# Altium PCB CPU_CARD.pcbdoc (part 9 of 10) (continued)
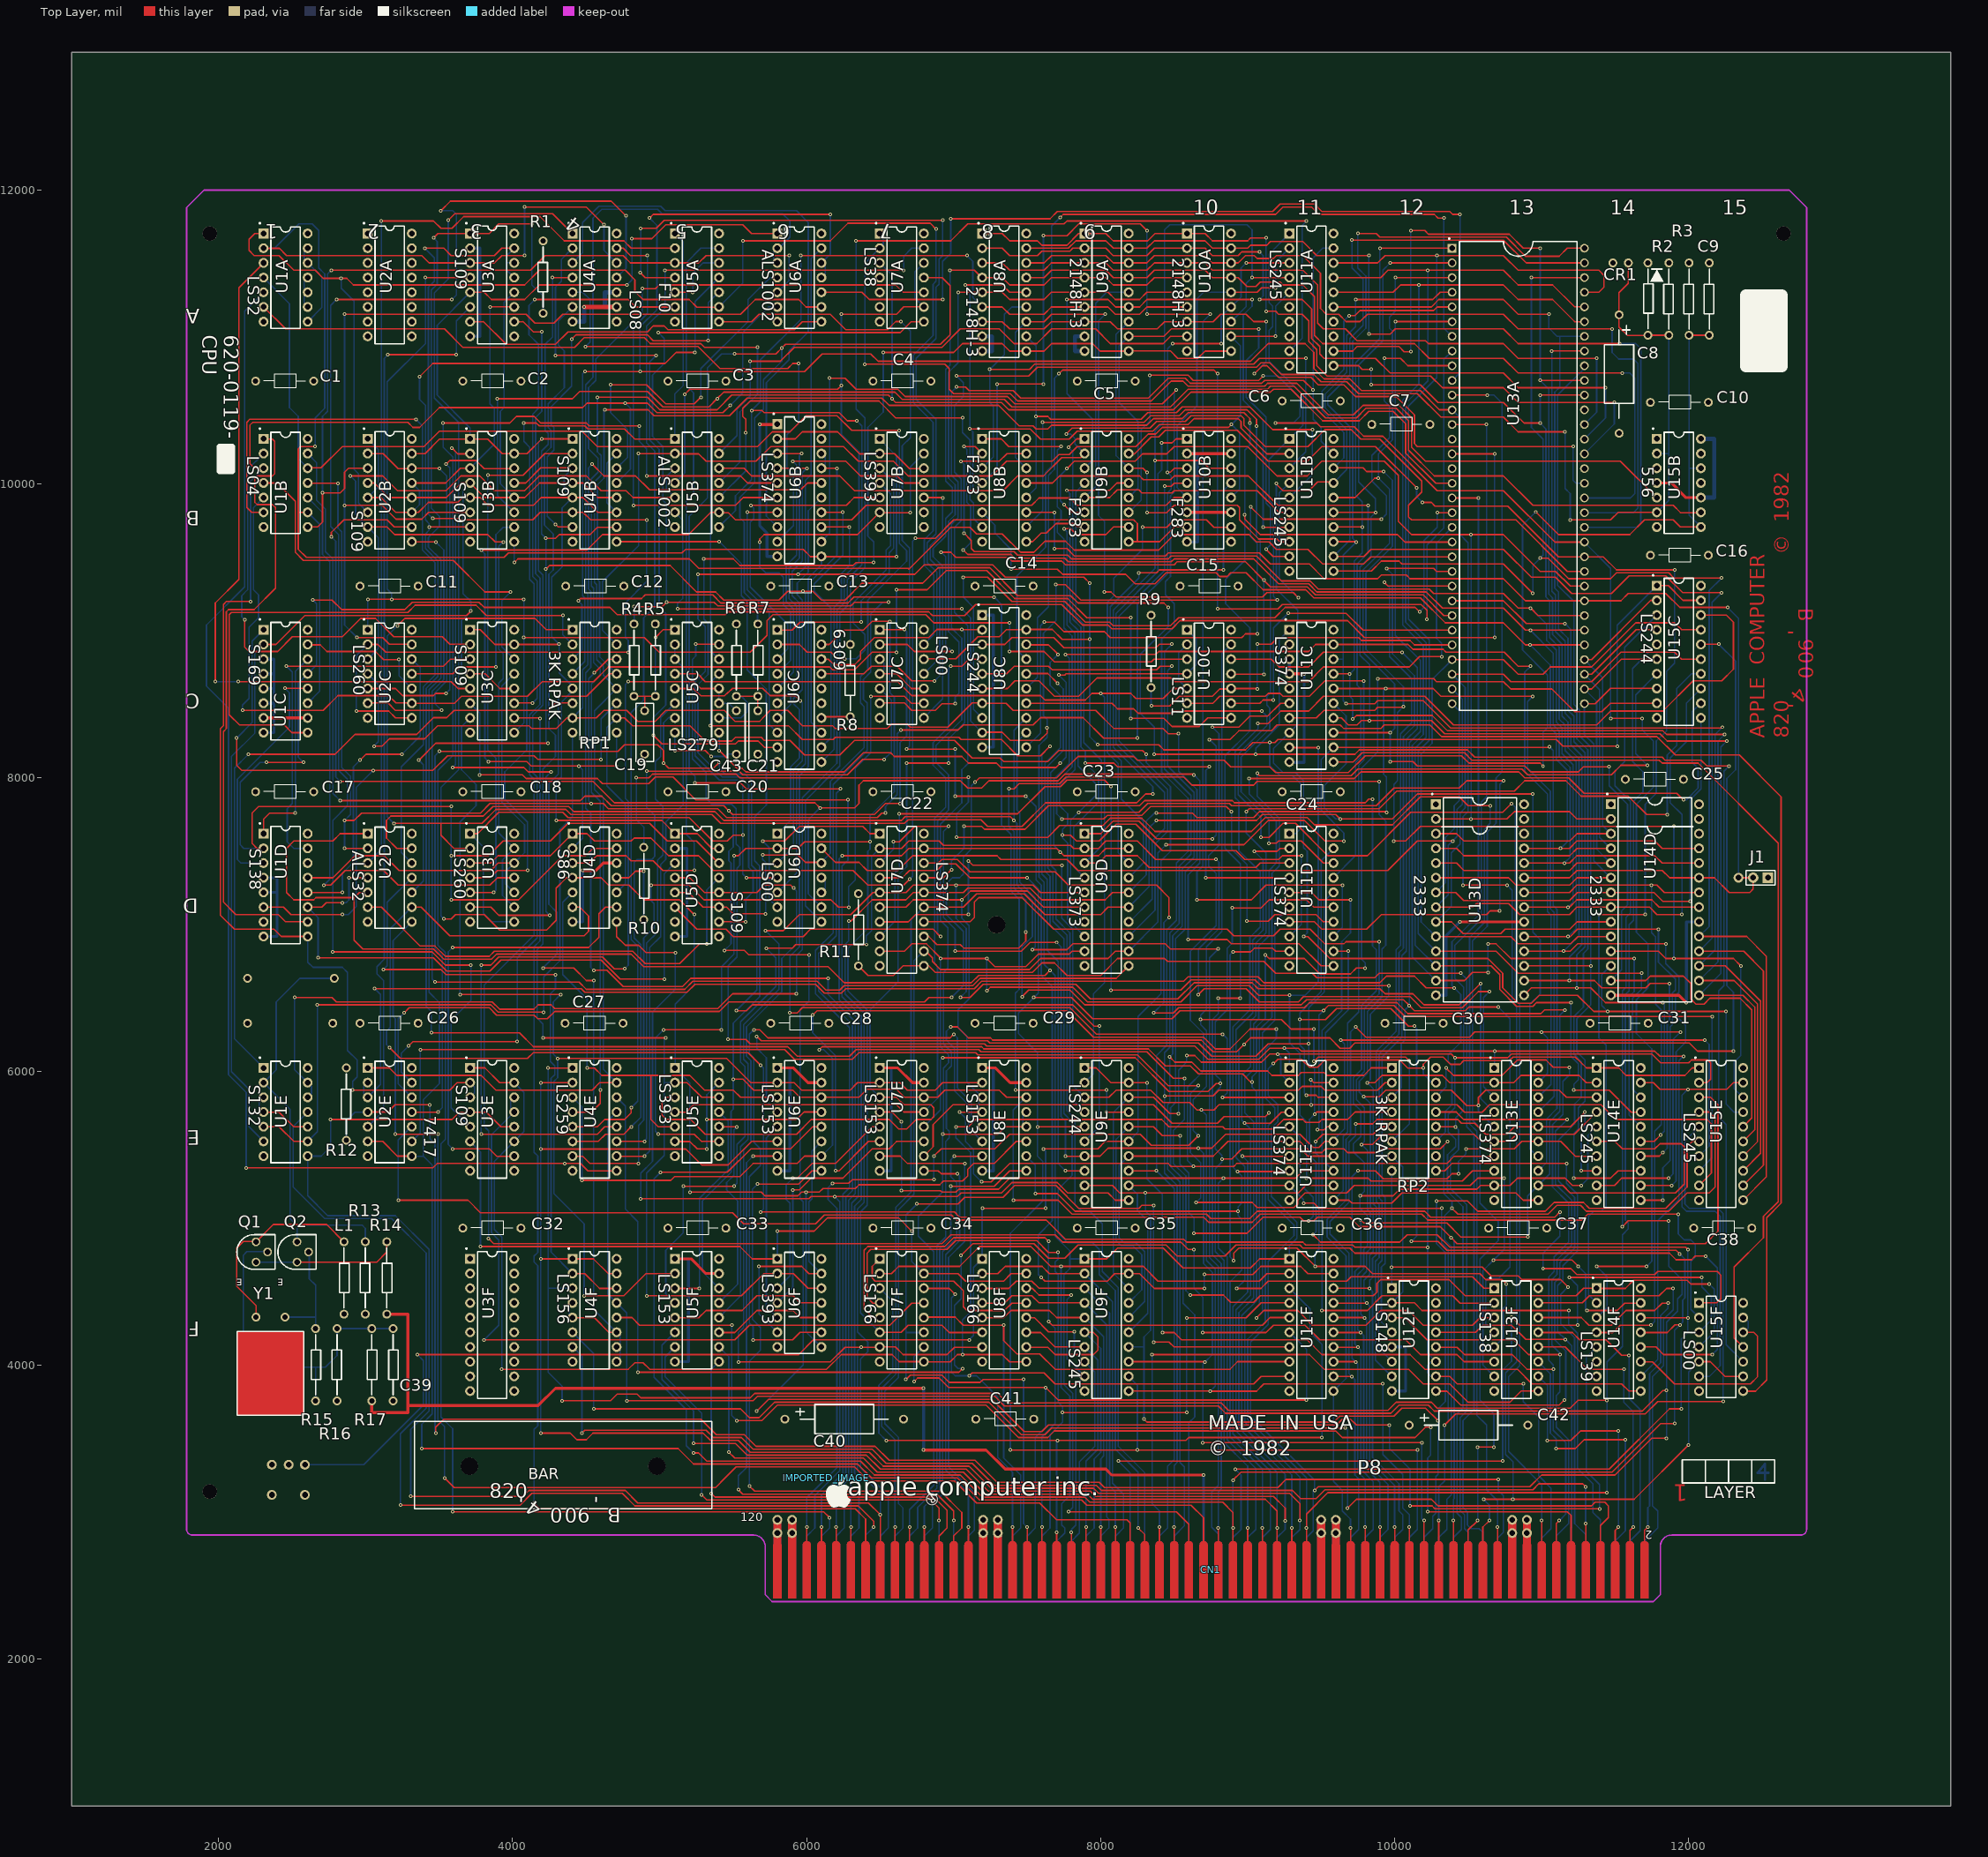
[diagram p0: Top Layer view]
## Nets (pads, with @x,y where several pads share a name; then routed paths per layer and width w, separated by ;. In a path a pad name is that pad's centre, name@x,y a point inside that pad or via, vN(x,y) a via of type N, cw(c..) or ccw(c..) an arc to the next point about the centre after c; other vN are vias at no path point) (continued)
U6A_5: U1B.8 U2B.3 U5A.3 U6A.5 | length 6556.2
  Top Layer w10: U1B.8@2605.32,9704.29 2673.8,9704.3 2706.7,9737.2 v1(2706.7,9937.2) 2826.7,9937.2 2856.7,9967.2 2856.7,10077.2 2883.8,10104.3 U2B.3@3013.99,10104.29 ; v1(2766.7,11452.2) 2896.7,11452.2 4121.7,11452.2 4221.7,11552.2 4751.7,11552.2 ; 4346.7,11552.2 4751.7,11552.2 ; U5A.3@5104.53,11501.92 5266.4,11501.9 5316.7,11552.2 v1(5881.7,11552.2) ; 4751.7,11552.2 4801.98,11501.92 ; 4751.7,11552.2 4801.98,11501.92 ; 4801.98,11501.92 U5A.3@5104.53,11501.92 4801.98,11501.92
  Bottom Layer w10: v1(2706.7,9937.2) 2706.7,10457.2 2741.7,10492.2 2741.7,11427.2 v1(2766.7,11452.2) ; U6A.5@5801.38,11301.92 5881.7,11382.24 v1(5881.7,11552.2)
U6A_8: U3A.7 U6A.8 | length 2539.4
  Top Layer w10: U3A.7@3710.83,11101.93 3801.7,11102.2 3956.7,10947.2 4291.7,10947.2 4376.7,11032.2 4916.7,11032.2 4956.7,11072.2 5031.7,11072.2 5056.7,11047.2 5916.7,11047.2 5972,11101.9 U6A.8@6101.38,11101.92
U6C_1: U6C.1 U7B.3 | length 1771.3
  Top Layer w10: U6C.1@5801.38,9005.08 5804.26,9002.2 5901.7,9002.2 5956.7,9057.2 v1(6371.7,9057.2)
  Bottom Layer w10: v1(6371.7,9057.2) 6371.7,9202.2 6561.7,9392.2 6561.7,9527.2 6591.7,9557.2 6591.7,10010.8 U7B.3@6498.23,10104.29
U6C_2: U6C.2 U7B.4 | length 1967
  Top Layer w10: U6C.2@5801.38,8905.08 5951.7,8905.08 6004.58,8852.2 6166.7,8852.2 6211.7,8807.2 v1(6261.7,8807.2)
  Bottom Layer w10: v1(6261.7,8807.2) 6336.7,8807.2 6396.7,8867.2 6396.7,8972.2 6316.7,9052.2 6316.7,9187.2 6541.7,9412.2 6541.7,9547.2 6571.7,9577.2 6571.7,9930.8 U7B.4@6498.23,10004.29
U6C_3: U6C.3 U7B.5 | length 2098.6
  Top Layer w10: v1(5621.7,9852.2) 6271.7,9852.2 6323.8,9904.3 U7B.5@6498.23,9904.29
  Bottom Layer w10: v1(5621.7,9852.2) 5641.7,9832.2 5641.7,9762.2 5616.7,9737.2 5616.7,9297.2 5871.7,9042.2 5871.7,8875.4 U6C.3@5801.38,8805.08
U6C_4: U6C.4 U7B.6 U7B.13 | length 2635.5
  Top Layer w10: v1(5681.7,9602.2) 5681.7,9622.2 5711.7,9652.2 6346.1,9652.2 U7B.6@6498.23,9804.29 ; U7B.6@6498.23,9804.29 6500.32,9802.2 v1(6706.7,9802.2)
  Bottom Layer w10: v1(5681.7,9602.2) 5681.7,9432.2 5721.7,9392.2 5811.7,9392.2 5841.7,9362.2 5841.7,9177.2 5891.7,9127.2 5891.7,8795.4 U6C.4@5801.38,8705.08 ; v1(6706.7,9802.2) 6706.7,10112.76 U7B.13@6798.23,10204.29
U6C_5: U6C.5 U7B.11 | length 2605.6
  Top Layer w10: v1(5906.7,10152.2) 6266.7,10152.2 6366.7,10052.2 6616.7,10052.2 6664.61,10004.29 U7B.11@6798.23,10004.29
  Bottom Layer w10: U6C.5@5801.38,8605.08 5801.4,8606.9 5911.7,8717.2 5911.7,9147.2 5861.7,9197.2 5861.7,9442.2 5931.7,9512.2 5931.7,10127.2 v1(5906.7,10152.2)
U6C_6: U6B.3 U6C.6 | length 1976.1
  Top Layer w10: U6B.3@5801.38,10204.29 v1(5966.7,10204.29)
  Bottom Layer w10: U6C.6@5801.38,8505.08 5931.7,8635.4 5931.7,9167.2 5881.7,9217.2 5881.7,9422.2 5951.7,9492.2 5951.7,10192.2 5963.8,10204.3 v1(5966.7,10204.29)
U6C_7: U6B.4 U6C.7 | length 2023.9
  Top Layer w10: U6B.4@5801.38,10104.29 v1(6001.7,10104.29)
  Bottom Layer w10: U6C.7@5801.38,8405.08 5891.7,8495.4 5891.7,8557.2 5951.7,8617.2 5951.7,9187.2 5901.7,9237.2 5901.7,9402.2 5971.7,9472.2 5971.7,10074.3 v1(6001.7,10104.29)
U6C_8: U6B.7 U6C.8 | length 1788.7
  Top Layer w10: v1(5596.7,9804.29) U6B.7@5801.38,9804.29
  Bottom Layer w10: v1(5596.7,9804.29) 5596.7,9277.2 5746.7,9127.2 5746.7,8359.8 U6C.8@5801.38,8305.08
U6C_11: U6B.13 U6C.11 | length 1867.1
  Top Layer w10: U6B.13@6101.38,9704.29 6289.61,9704.29 v1(6291.7,9702.2)
  Bottom Layer w10: U6C.11@6101.38,8105.08 6186.7,8190.4 6186.7,9157.2 6236.7,9207.2 6236.7,9387.2 6291.7,9442.2 v1(6291.7,9702.2)
U6C_12: U6B.14 U6C.12 | length 1900
  Top Layer w10: U6B.14@6101.38,9804.29 v1(6246.7,9804.29)
  Bottom Layer w10: U6C.12@6101.38,8205.08 6166.7,8270.4 6166.7,9152.2 6051.7,9267.2 6051.7,9317.2 6246.7,9512.2 v1(6246.7,9804.29)
U6C_13: U6B.17 U6B.18 U6C.13 | length 2126.9
  Top Layer w10: U6B.17@6101.38,10104.29 v1(6206.7,10104.29)
  Bottom Layer w10: U6C.13@6101.38,8305.08 6031.7,8374.8 6031.7,9337.2 6206.7,9512.2 v1(6206.7,10104.29) ; U6B.17@6101.38,10104.29 6126.7,10129.61 6126.7,10177.2 6101.38,10202.52 U6B.18@6101.38,10204.29
U6C_17: U6C.17 U7B.10 | length 2284.3
  Top Layer w10: U6C.17@6101.38,8705.08 6389.6,8705.1 6441.7,8757.2 6616.7,8757.2 6716.7,8657.2 v1(6871.7,8657.2) ; U7B.10@6798.23,9904.29 6924.61,9904.29 v1(6926.7,9902.2)
  Bottom Layer w10: v1(6871.7,8657.2) 6906.7,8692.2 6906.7,9417.2 6841.7,9482.2 6841.7,9577.2 6926.7,9662.2 v1(6926.7,9902.2)
U6D_1: U6B.15 U6D.1 | length 2473.4
  Bottom Layer w10: U6D.1@5801.38,7617.29 5891.7,7707.6 5891.7,8072.2 5951.7,8132.2 5951.7,8462.2 5911.7,8502.2 5911.7,8537.2 5971.7,8597.2 5971.7,9207.2 5936.7,9242.2 5936.7,9322.2 6011.7,9397.2 6011.7,9814.6 U6B.15@6101.38,9904.29
U6D_2: U5E.9 U6C.19 U6D.2 U7F.6 U8F.6 | length 10131.3
  Top Layer w10: v1(4991.7,5572.2) 5236.7,5572.2 5286.7,5522.2 U5E.9@5404.53,5522.8 ; v1(5026.7,6282.2) v1(5421.7,6282.2) ; v1(5506.7,7467.2) 5536.7,7467.2 5586.79,7517.29 5596.7,7517.29 U6D.2@5801.38,7517.29 5941.7,7517.2 5986.7,7562.2 v1(6431.7,7562.2) ; U6C.19@6101.38,8905.08 6154.6,8905.1 6251.7,9002.2 6386.7,9002.2 6446.7,9062.2 v1(6566.7,9062.2) ; U7F.6@6498.23,4223.6 6643.09,4223.59 6691.7,4272.2 6921.7,4272.2 6971.7,4222.2 7193.7,4222.2 U8F.6@7195.08,4223.6
  Bottom Layer w10: v1(4991.7,5572.2) 4971.7,5592.2 4971.7,6227.2 v1(5026.7,6282.2) ; v1(5421.7,6282.2) 5421.7,6712.2 5506.7,6797.2 v1(5506.7,7467.2) ; U7F.6@6498.23,4223.6 6366.7,4355.1 6366.7,5042.2 6411.7,5087.2 6411.7,6417.2 6281.7,6547.2 6281.7,6837.2 6416.7,6972.2 6416.7,7497.2 6431.7,7512.2 v1(6431.7,7562.2) 6431.7,7737.2 6596.7,7902.2 6596.7,8547.2 6566.7,8577.2 v1(6566.7,9062.2)
U6D_6: U6D.6 U7D.1 | length 1349.8
  Top Layer w10: v1(5701.7,7567.2) 5851.7,7567.2 5951.7,7667.2 6381.7,7667.2 6431.6,7617.3 U7D.1@6498.23,7617.29
  Bottom Layer w10: v1(5701.7,7567.2) 5746.7,7522.2 5746.7,7171.97 U6D.6@5801.38,7117.29
U6D_10: U6D.10 U6D.11 | length 121
  Bottom Layer w10: U6D.10@6101.38,7217.29 6126.7,7242.6 6126.7,7292 U6D.11@6101.38,7317.29
U7A_1: U7A.1 U7A.2 U15B.5 | length 7097.6
  Top Layer w10: v1(6396.7,10812.2) 6941.7,10812.2 6971.7,10782.2 6971.7,10642.2 7001.7,10612.2 7386.7,10612.2 7436.7,10562.2 8346.7,10562.2 8481.7,10697.2 8561.7,10697.2 8596.7,10662.2 9116.7,10662.2 9136.7,10682.2 9336.7,10682.2 9551.7,10467.2 9721.7,10467.2 9786.7,10532.2 10031.7,10532.2 10116.7,10447.2 10116.7,10247.2 10211.7,10152.2 11537.7,10152.2 U15B.5@11785.62,9904.29
  Bottom Layer w10: v1(6396.7,10812.2) 6396.7,11500.39 U7A.2@6498.23,11601.92 ; U7A.2@6498.23,11601.92 6521.7,11625.4 6521.7,11677.2 6498.2,11700.7 U7A.1@6498.23,11701.92
U7A_4: U7A.4
U7A_5: U7A.5
U7A_6: U7A.6
U7A_10: U4E.4 U7A.10 | length 7977.9
  Top Layer w10: U4E.4@4407.68,5722.81 4536.7,5722.2 4596.7,5782.2 v1(4596.7,5872.2) ; v1(4881.7,11327.2) 4971.7,11327.2 4996.7,11352.2 5021.7,11352.2 6606.42,11352.2 6656.7,11301.92 U7A.10@6798.23,11301.92
  Bottom Layer w10: v1(4596.7,5872.2) 4596.7,7837.2 4536.7,7897.2 4536.7,8637.2 4596.7,8697.2 4596.7,8737.2 4551.7,8782.2 4551.7,9287.2 4536.7,9302.2 4536.7,10032.2 4581.7,10077.2 4581.7,10172.2 4516.7,10237.2 4516.7,10652.2 4566.7,10702.2 4566.7,10847.2 4881.7,11162.2 v1(4881.7,11327.2)
U7A_13: U4E.5 U7A.13 | length 8230.6
  Top Layer w10: U4E.5@4407.68,5622.81 4577.3,5622.8 4626.7,5672.2 4761.7,5672.2 4806.7,5717.2 v1(4806.7,5752.2) ; v1(5036.7,11452.2) v1(6661.7,11452.2)
  Bottom Layer w10: v1(4806.7,5752.2) 4851.7,5797.2 4851.7,6852.2 4806.7,6897.2 4806.7,8442.2 4891.7,8527.2 4891.7,9087.2 4966.7,9162.2 4966.7,10222.2 4911.7,10277.2 4911.7,11072.2 5036.7,11197.2 v1(5036.7,11452.2) ; v1(6661.7,11452.2) 6661.7,11547.2 6716.7,11602.2 6797.95,11602.2 U7A.13@6798.23,11601.92
U7B_2: U6B.2 U7B.2 U7B.12 | length 1122.8
  Top Layer w10: U6B.2@5801.38,10304.29 5923.79,10304.29 5971.7,10352.2 6211.7,10352.2 6361.7,10202.2 6496.14,10202.2 U7B.2@6498.23,10204.29 6599.61,10204.29 6701.7,10102.2 6796.14,10102.2 U7B.12@6798.23,10104.29
U7C_3: U7C.3 U7C.4 U7C.10 | length 465.8
  Top Layer w10: U7C.4@6498.23,8705.08 6613.8,8705.1 6713.8,8605.1 U7C.10@6798.23,8605.08
  Bottom Layer w10: U7C.4@6498.23,8705.08 6499.58,8705.08 6526.7,8732.2 6526.7,8776.61 U7C.3@6498.23,8805.08
U7C_11: U5A.4 U7C.11 | length 5938.3
  Top Layer w10: v1(4866.7,11437.2) 4901.98,11401.92 U5A.4@5104.53,11401.92 ; v1(4871.7,11737.2) 4976.7,11737.2 5031.7,11792.2 v1(6926.7,11792.2)
  Bottom Layer w10: v1(4866.7,11437.2) 4871.7,11442.2 v1(4871.7,11737.2) ; U7C.11@6798.23,8705.08 6886.7,8793.6 6886.7,9397.2 6821.7,9462.2 6821.7,9597.2 6881.7,9657.2 6881.7,10437.2 6746.7,10572.2 6746.7,10852.2 6881.7,10987.2 6881.7,11337.2 6901.7,11357.2 6901.7,11527.2 6926.7,11552.2 v1(6926.7,11792.2)
U7C_12: U3D.1 U3D.8 U6A.13 U6D.4 U7C.12 U8C.19 U11D.1 U15C.1 U15C.19 | length 18715.4
  Top Layer w10: U3D.1@3710.83,7617.29 3761.8,7617.3 3906.7,7762.2 4341.7,7762.2 4376.7,7727.2 5201.7,7727.2 5361.7,7567.2 5461.7,7567.2 5501.7,7607.2 v1(5566.7,7607.2) ; v1(5261.7,9382.2) v1(5941.7,9382.2) 6736.7,9382.2 6801.7,9447.2 7266.7,9447.2 7351.7,9362.2 7886.7,9362.2 v1(7926.7,9322.2) ; v1(5591.7,7317.2) 5801.3,7317.2 U6D.4@5801.38,7317.29 ; U7C.12@6798.23,8805.08 6800.35,8807.2 7016.7,8807.2 7166.7,8957.2 7311.7,8957.2 7359.58,9005.08 U8C.19@7495.07,9005.08 7497.19,9007.2 7671.7,9007.2 7738.84,8940.07 v1(7926.7,8940.06) ; v1(7981.7,8222.2) 8396.7,8222.2 8431.7,8187.2 8986.7,8187.2 9036.7,8237.2 v1(9151.7,8237.2) 9186.7,8237.2 9206.7,8257.2 11101.7,8257.2 11146.7,8212.2 v1(11516.7,8212.2) ; U15C.1@11785.62,9305.08 11863.82,9305.08 11963.82,9205.08 U15C.19@12085.62,9205.08
  Bottom Layer w10: U3D.1@3710.83,7617.29 3801.7,7527.2 3801.7,7077.2 3861.7,7017.2 U3D.8@4010.83,7017.29 ; v1(5261.7,9382.2) 5261.7,9077.2 5311.7,9027.2 5311.7,8722.2 5241.7,8652.2 5241.7,8147.2 5406.7,7982.2 5531.7,7982.2 5566.7,7947.2 v1(5566.7,7607.2) 5566.7,7342.2 v1(5591.7,7317.2) ; v1(5941.7,9382.2) 5991.7,9432.2 5991.7,10022.2 6031.7,10062.2 6031.7,11532.2 U6A.13@6101.38,11601.92 ; v1(7926.7,8940.06) v1(7926.7,9322.2) ; v1(7926.7,8940.06) 7926.7,8277.2 v1(7981.7,8222.2) ; v1(9151.7,8237.2) 9151.7,8082.2 9221.7,8012.2 9306.7,8012.2 9361.7,7957.2 9361.7,7652.2 9326.8,7617.3 U11D.1@9285.62,7617.29 ; v1(11516.7,8212.2) 11516.7,9036.16 U15C.1@11785.62,9305.08
U7F_1: U7F.1 U8F.13 | length 1378
  Top Layer w10: U7F.1@6498.23,4723.6 6446.7,4672.2 6446.7,4592.2 6466.7,4572.2 7001.7,4572.2 7066.7,4507.2 7066.7,4397.2 7091.7,4372.2 7346.7,4372.2 7396.7,4422.2 7493.7,4422.2 U8F.13@7495.08,4423.6
U8B_1: U8B.1 U11D.14 | length 5845.1
  Top Layer w10: U8B.1@7195.08,10304.3 7324.61,10304.29 7376.7,10252.2 v1(7731.7,10252.2) ; v1(7736.7,7717.2) 8021.7,7717.2 8046.7,7742.2 8281.7,7742.2 8341.7,7802.2 8856.7,7802.2 v1(8891.7,7767.2) ; v1(8996.7,7022.2) 9141.7,7022.2 9186.7,7067.2 9466.7,7067.2 9516.7,7017.2 U11D.14@9585.62,7017.29
  Bottom Layer w10: v1(7731.7,10252.2) 7706.7,10227.2 7706.7,9842.2 7731.7,9817.2 7731.7,9757.2 7706.7,9732.2 7706.7,9667.2 7751.7,9622.2 7751.7,9017.2 7806.7,8962.2 7806.7,8072.2 7701.7,7967.2 7701.7,7752.2 v1(7736.7,7717.2) ; v1(8891.7,7767.2) 8891.7,7512.2 8996.7,7407.2 v1(8996.7,7022.2)
U8B_4: U8B.4 U11D.13 | length 9225.7
  Top Layer w10: v1(7296.7,10677.2) v1(7611.7,10677.2) ; v1(7611.7,11687.2) 7771.7,11687.2 7851.7,11767.2 8271.7,11767.2 v1(8316.7,11722.2) ; v1(8316.7,11152.2) v1(8746.7,11152.2) ; v1(8656.7,7167.2) 9026.7,7167.2 9126.7,7267.2 v1(9646.7,7267.2)
  Bottom Layer w10: U8B.4@7195.08,10004.3 7296.7,10105.9 v1(7296.7,10677.2) ; v1(7611.7,10677.2) v1(7611.7,11687.2) ; v1(8316.7,11152.2) v1(8316.7,11722.2) ; v1(8656.7,7167.2) 8656.7,7357.2 8696.7,7397.2 8696.7,11102.2 v1(8746.7,11152.2) ; U11D.13@9585.62,6917.29 9646.7,6978.37 v1(9646.7,7267.2)
U8B_9: U8B.9 U9B.7 | length 457.2
  Top Layer w10: U8B.9@7495.08,9604.3 7538.8,9604.3 7596.7,9662.2 7631.7,9662.2 7696.7,9727.2 7816.7,9727.2 7836.7,9707.2 7889,9707.2 U9B.7@7891.93,9704.29
U8B_10: U8B.10 U11D.18 | length 5886
  Top Layer w10: v1(7606.7,10417.2) 8296.7,10417.2 8341.7,10462.2 8536.7,10462.2 8576.7,10502.2 8996.7,10502.2 9061.7,10437.2 v1(9061.7,10392.2) ; v1(9146.7,7552.2) 9196.7,7552.2 9211.7,7567.2 9366.7,7567.2 9516.7,7417.2 U11D.18@9585.62,7417.29
  Bottom Layer w10: U8B.10@7495.08,9704.3 7606.7,9815.9 v1(7606.7,10417.2) ; v1(9061.7,10392.2) 9061.7,9637.2 9086.7,9612.2 9086.7,9482.2 9156.7,9412.2 9156.7,8577.2 9131.7,8552.2 9131.7,8492.2 9151.7,8472.2 9151.7,8332.2 8956.7,8137.2 8956.7,7902.2 9146.7,7712.2 v1(9146.7,7552.2)
U8B_13: U8B.13 U11D.17 | length 5103.4
  Top Layer w10: U8B.13@7495.08,10004.3 7673.8,10004.3 7721.7,10052.2 8266.7,10052.2 8291.7,10027.2 8476.7,10027.2 8501.7,10052.2 9006.7,10052.2 9206.7,9852.2 v1(9821.7,9852.2)
  Bottom Layer w10: U11D.17@9585.62,7317.29 9736.7,7468.4 9736.7,8102.2 9771.7,8137.2 9771.7,8602.2 9746.7,8627.2 9746.7,9452.2 9821.7,9527.2 v1(9821.7,9852.2)
U8C_6: U8C.6 U13A.20 | length 4748.4
  Top Layer w10: 7636.7,8602.2 7581.7,8657.2 ; v1(10321.7,8822.2) 10171.7,8822.2 10101.7,8752.2 9516.7,8752.2 9416.7,8652.2 8506.7,8652.2 8481.7,8677.2 7976.7,8677.2 7851.7,8552.2 7686.7,8552.2 7581.7,8657.2 ; 7366.7,8605.08 U8C.6@7195.07,8605.08 7366.7,8605.08 ; 7366.7,8605.08 7418.82,8657.2 ; 7366.7,8605.08 7418.82,8657.2 ; 7418.82,8657.2 7581.7,8657.2 ; 7418.82,8657.2 7581.7,8657.2
  Bottom Layer w10: v1(10321.7,8822.2) 10321.7,8912.2 10286.7,8947.2 10286.7,9595.92 U13A.20@10392.71,9701.93
U8C_8: U8C.8 U13A.19 | length 5141.9
  Top Layer w10: v1(7066.7,9362.2) 7231.7,9362.2 7396.7,9197.2 7756.7,9197.2 7896.7,9057.2 8061.7,9057.2 8086.7,9032.2 8476.7,9032.2 8531.7,9087.2 9186.7,9087.2 9256.7,9157.2 10141.7,9157.2 v1(10171.7,9127.2) ; v1(10291.7,9802.2) U13A.19@10392.71,9801.93
  Bottom Layer w10: v1(7066.7,9362.2) 7066.7,9227.2 7136.7,9157.2 7136.7,8463.4 U8C.8@7195.07,8405.08 ; v1(10171.7,9127.2) 10201.7,9157.2 10201.7,9612.2 10291.7,9702.2 v1(10291.7,9802.2)
U8C_11: U8C.11 U13A.9 | length 5912
  Top Layer w10: v1(7616.7,9057.2) 7686.7,9057.2 7751.7,8992.2 8026.7,8992.2 8066.7,8952.2 8961.7,8952.2 8986.7,8977.2 v1(9066.7,8977.2) ; v1(9021.7,9842.2) 9106.7,9757.2 v1(9911.7,9757.2) ; v1(9931.7,10852.2) 10041.7,10852.2 10091.7,10802.2 U13A.9@10392.71,10801.93
  Bottom Layer w10: U8C.11@7495.07,8205.08 7591.7,8301.7 7591.7,9032.2 v1(7616.7,9057.2) ; v1(9021.7,9842.2) 9021.7,9637.2 9066.7,9592.2 v1(9066.7,8977.2) ; v1(9911.7,9757.2) 9946.7,9792.2 9946.7,9917.2 9846.7,10017.2 9846.7,10192.2 9966.7,10312.2 9966.7,10527.2 9931.7,10562.2 v1(9931.7,10852.2)
U8C_15: U8C.15 U13A.8 | length 8344.2
  Top Layer w10: v1(7716.7,10747.2) 7741.7,10772.2 8771.7,10772.2 v1(8796.7,10747.2) ; v1(8796.7,9147.2) 9206.7,9147.2 9236.7,9177.2 10181.7,9177.2 10221.7,9137.2 v1(10221.7,9077.2)
  Bottom Layer w10: U8C.15@7495.07,8605.08 7571.7,8681.7 7571.7,9087.2 7646.7,9162.2 7646.7,10057.2 7686.7,10097.2 7686.7,10717.2 v1(7716.7,10747.2) ; v1(8796.7,9147.2) v1(8796.7,10747.2) ; v1(10221.7,9077.2) 10221.7,9582.2 10336.7,9697.2 10336.7,10845.92 U13A.8@10392.71,10901.93
U8C_17: U8C.17 U13A.7 | length 6654.1
  Top Layer w10: v1(7726.7,11812.2) 7746.7,11832.2 9191.7,11832.2 9241.7,11882.2 9436.7,11882.2 9486.7,11832.2 10271.7,11832.2 10296.7,11807.2 v1(10336.7,11807.2)
  Bottom Layer w10: U8C.17@7495.07,8805.08 7431.7,8868.5 7431.7,9372.2 7626.7,9567.2 7626.7,10077.2 7666.7,10117.2 7666.7,11752.2 v1(7726.7,11812.2) ; v1(10336.7,11807.2) 10336.7,11057.94 U13A.7@10392.71,11001.93
U9B_1: U9B.1 U9D.4 U11D.4 | length 5440
  Top Layer w10: v1(7781.7,10247.2) 7838.78,10304.28 7841.7,10304.28 U9B.1@7891.93,10304.29 ; v1(7896.7,8097.53) 8091.37,8097.53 8116.7,8072.2 v1(8741.7,8072.2) ; v1(8716.7,7317.2) 9285.5,7317.2 U11D.4@9285.62,7317.29
  Bottom Layer w10: v1(7781.7,10247.2) 7811.7,10217.2 7811.7,9077.2 7866.7,9022.2 7866.7,8207.2 7896.7,8177.2 v1(7896.7,8097.53) 7986.7,8007.5 7986.7,7832.2 7816.7,7662.2 7816.7,7392.5 U9D.4@7891.92,7317.29 ; v1(8716.7,7317.2) 8716.7,8047.2 v1(8741.7,8072.2)
U9B_4: U9B.4 U9D.3 U11D.3 | length 4191.9
  Top Layer w10: U9D.3@7891.92,7417.29 7986.8,7417.3 8036.7,7467.2 8251.7,7467.2 8331.7,7387.2 9056.7,7387.2 9086.7,7417.2 U11D.3@9285.62,7417.29
  Bottom Layer w10: U9D.3@7891.92,7417.29 8006.7,7532.1 8006.7,8117.2 7886.7,8237.2 7886.7,9042.2 7831.7,9097.2 7831.7,9944 U9B.4@7891.93,10004.29
U9B_10: U9B.10 U9D.8 U11D.8 | length 5809.8
  Top Layer w10: v1(7741.7,7607.2) 7796.7,7607.2 7836.7,7567.2 7991.7,7567.2 8106.7,7682.2 8241.7,7682.2 8421.7,7502.2 8921.7,7502.2 8981.7,7442.2 9211.7,7442.2 9236.7,7467.2 v1(9366.7,7467.2) ; v1(7751.7,9692.2) 7796.7,9692.2 7836.7,9652.2 8036.7,9652.2 8088.8,9704.3 U9B.10@8191.93,9704.29
  Bottom Layer w10: v1(7751.7,9692.2) 7771.7,9672.2 7771.7,9037.2 7826.7,8982.2 7826.7,8052.2 7721.7,7947.2 7721.7,7807.2 7776.7,7752.2 7776.7,7682.2 7741.7,7647.2 v1(7741.7,7607.2) 7741.7,7587.2 7776.7,7552.2 7776.7,7032.5 U9D.8@7891.92,6917.29 ; U11D.8@9285.62,6917.29 9366.7,6998.4 v1(9366.7,7467.2)
U9B_13: U9B.13 U9D.7 U11D.7 | length 9109.9
  Top Layer w10: v1(7771.7,9954.3) 8061.7,9954.3 ; v1(7851.7,7762.2) 8261.7,7762.2 8321.7,7822.2 8876.7,7822.2 8891.7,7807.2 9876.7,7807.2 9996.7,7927.2 10441.7,7927.2 10491.7,7977.2 v1(10741.7,7977.2) ; U11D.7@9285.62,7017.29 9456.7,7017.2 9506.7,6967.2 9811.7,6967.2 9911.7,7067.2 10626.7,7067.2 10651.7,7092.2 v1(10716.7,7092.2) ; 8061.7,9954.3 8111.7,10004.3 ; 8061.7,9954.3 8111.7,10004.3 ; 8111.7,10004.3 U9B.13@8191.93,10004.29 8111.7,10004.3
  Bottom Layer w10: v1(7771.7,9954.3) 7771.7,9952.2 7791.7,9932.2 7791.7,9057.2 7846.7,9002.2 7846.7,8077.2 7966.7,7957.2 7966.7,7877.2 v1(7851.7,7762.2) 7796.7,7707.2 7796.7,7112.5 U9D.7@7891.92,7017.29 ; v1(10716.7,7092.2) 10716.7,7952.2 v1(10741.7,7977.2)
U9D_1: U9D.1 U15F.8 | length 10015.5
  Top Layer w10: U9D.1@7891.92,7617.29 8001.8,7617.3 8086.7,7702.2 8261.7,7702.2 8381.7,7582.2 v1(8761.7,7582.2) ; v1(8741.7,8257.2) 8881.7,8257.2 8941.7,8317.2 9161.7,8317.2 9201.7,8357.2 9631.7,8357.2 9656.7,8332.2 9906.7,8332.2 9931.7,8357.2 10241.7,8357.2 10321.7,8277.2 11786.7,8277.2 11911.7,8152.2 12346.7,8152.2 12631.7,7867.2 12631.7,5102.2 12532.8,5003.3 12532.8,3898.3 12456.7,3822.2 12374.4,3822.2 U15F.8@12373.02,3823.59
  Bottom Layer w10: v1(8741.7,8257.2) 8786.7,8212.2 8786.7,7607.2 v1(8761.7,7582.2)
U9D_13: U9D.13 U10B.4 | length 3600.9
  Top Layer w10: v1(8436.7,9982.2) 8481.7,9982.2 8501.7,10002.2 8586.71,10002.2 U10B.4@8588.78,10004.29
  Bottom Layer w10: U9D.13@8191.92,6917.29 8371.7,7097.1 8371.7,7547.2 8456.7,7632.2 8456.7,7917.2 8126.7,8247.2 8126.7,9097.2 8436.7,9407.2 v1(8436.7,9982.2)
U9D_14: U9D.14 U10B.1 | length 3812.6
  Top Layer w10: v1(8416.7,10277.2) 8486.7,10277.2 8513.78,10304.28 U10B.1@8588.78,10304.29
  Bottom Layer w10: U9D.14@8191.92,7017.29 8196.8,7017.3 8351.7,7172.2 8351.7,7567.2 8436.7,7652.2 8436.7,7897.2 8106.7,8227.2 8106.7,9117.2 8391.7,9402.2 8391.7,10067.2 8416.7,10092.2 v1(8416.7,10277.2)
U9D_17: U9D.17 U10B.13 | length 3487.1
  Top Layer w10: v1(8261.7,9392.2) 8381.7,9392.2 8401.7,9412.2 v1(8836.7,9412.2)
  Bottom Layer w10: U9D.17@8191.92,7317.29 8291.7,7417.1 8291.7,7702.2 8141.7,7852.2 8141.7,8112.2 8066.7,8187.2 8066.7,9162.2 8261.7,9357.2 v1(8261.7,9392.2) ; v1(8836.7,9412.2) 8836.7,9952.19 U10B.13@8888.78,10004.29
U9D_18: U9D.18 U10B.10 | length 3088.9
  Top Layer w10: v1(8286.7,9702.2) 8451.7,9702.2 8501.7,9752.2 8721.7,9752.2 8771.7,9702.2 8886.7,9702.2 U10B.10@8888.78,9704.29
  Bottom Layer w10: U9D.18@8191.92,7417.29 8121.7,7487.2 8121.7,8092.2 8046.7,8167.2 8046.7,9192.2 8091.7,9237.2 8091.7,9357.2 8286.7,9552.2 v1(8286.7,9702.2)
U10C_6: U10C.6 U11E.11 U13E.11 | length 6354
  Top Layer w10: U10C.6@8588.77,8505.08 8764.58,8505.08 8811.7,8552.2 9121.7,8552.2 9141.7,8572.2 9221.7,8572.2 9241.7,8552.2 9421.7,8552.2 9526.7,8657.2 v1(9791.7,8657.2) ; U11E.11@9585.62,5122.8 9691.7,5122.2 9711.7,5102.2 9981.7,5102.2 10051.7,5172.2 10826.7,5172.2 10876.7,5122.2 U13E.11@10979.32,5122.8
  Bottom Layer w10: U11E.11@9585.62,5122.8 9651.7,5188.9 9651.7,5557.2 9681.7,5587.2 9681.7,6327.2 9756.7,6402.2 9756.7,8082.2 9791.7,8117.2 v1(9791.7,8657.2)
U10C_9: U10C.9 U13A.27 | length 2092.3
  Top Layer w10: U10C.9@8888.77,8505.08 9084.58,8505.08 9106.7,8527.2 v1(9176.7,8527.2) ; v1(9276.7,9117.2) 9671.7,9117.2 9787,9001.9 U13A.27@10392.71,9001.93
  Bottom Layer w10: v1(9176.7,8527.2) 9176.7,9017.2 v1(9276.7,9117.2)
U10C_10: R9.2 U10C.10 U13A.28 | length 2566.1
  Top Layer w10: v1(8346.7,8487.2) 8471.7,8487.2 8536.7,8552.2 8761.7,8552.2 8811.7,8602.2 8885.89,8602.2 U10C.10@8888.77,8605.08 9063.82,8605.08 v1(9066.7,8602.2) ; v1(9066.7,8907.2) 9161.7,8907.2 9206.7,8952.2 9756.7,8952.2 9776.7,8932.2 10106.7,8932.2 10137,8901.9 U13A.28@10392.71,8901.93
  Bottom Layer w10: R9.2@8344.7,8612.04 8344.68,8489.22 v1(8346.7,8487.2) ; v1(9066.7,8602.2) v1(9066.7,8907.2)
U11A_9: R8.2 U11A.9 | length 6867
  Top Layer w10: v1(6336.7,11652.2) 6981.7,11652.2 7096.7,11767.2 7751.7,11767.2 7771.7,11787.2 v1(9401.7,11787.2)
  Bottom Layer w10: R8.2@6298.2,8905.1 6298.2,9328.7 6396.7,9427.2 6396.7,10447.2 6336.7,10507.2 v1(6336.7,11652.2) ; U11A.9@9285.62,10901.92 9371.7,10988 9371.7,11757.2 v1(9401.7,11787.2)
U11B_19: U5D.6 U11A.19 U11B.19 | length 10017.2
  Top Layer w10: U5D.6@5104.53,7117.29 5254.62,6967.2 5451.7,6967.2 5501.7,6917.2 5976.7,6917.2 6026.7,6967.2 6861.7,6967.2 v1(6911.7,6917.2) ; v1(7021.7,10657.2) 7081.7,10657.2 7106.7,10632.2 7406.7,10632.2 7456.7,10582.2 8326.7,10582.2 8461.7,10717.2 8576.7,10717.2 8611.7,10682.2 9096.7,10682.2 9116.7,10702.2 9381.7,10702.2 v1(9446.7,10637.2)
  Bottom Layer w10: v1(6911.7,6917.2) 6891.7,6937.2 6891.7,7702.2 6966.7,7777.2 6966.7,8017.2 6881.7,8102.2 6881.7,8217.2 7056.7,8392.2 7056.7,8947.2 6986.7,9017.2 6986.7,9722.2 7031.7,9767.2 7031.7,10012.2 6986.7,10057.2 6986.7,10622.2 v1(7021.7,10657.2) ; U11B.19@9585.62,10204.29 9501.7,10288.2 9501.7,10382.2 9446.7,10437.2 v1(9446.7,10637.2) 9446.7,11537.2 9511.7,11602.2 U11A.19@9585.62,11601.92
U12F_6: U12F.6 U13A.23 | length 6087.2
  Top Layer w10: v1(9946.7,9422.2) 10266.7,9422.2 10286.7,9402.2 U13A.23@10392.71,9401.93
  Bottom Layer w10: v1(9946.7,9422.2) 9986.7,9382.2 9986.7,8842.2 10136.7,8692.2 10136.7,8352.2 10061.7,8277.2 10061.7,6837.2 10031.7,6807.2 10031.7,6252.2 9896.7,6117.2 9896.7,5137.2 9916.7,5117.2 9916.7,4712.2 9891.7,4687.2 9891.7,4117.2 9982.5,4026.4 U12F.6@9982.48,4023.6
U12F_7: U12F.7 U13A.24 | length 6115.7
  Top Layer w10: v1(9931.7,9327.2) 9957,9301.9 U13A.24@10392.71,9301.93
  Bottom Layer w10: v1(9931.7,9327.2) 9966.7,9292.2 9966.7,8822.2 10116.7,8672.2 10116.7,8372.2 10041.7,8297.2 10041.7,6857.2 10011.7,6827.2 10011.7,6272.2 9876.7,6137.2 9876.7,5112.2 9896.7,5092.2 9896.7,4732.2 9871.7,4707.2 9871.7,4034.4 U12F.7@9982.48,3923.6
U12F_9: U12F.9 U13A.25 | length 7371.9
  Top Layer w10: U12F.9@10282.48,3823.6 10283.9,3822.2 10356.7,3822.2 10451.7,3727.2 11121.7,3727.2 v1(11156.7,3762.2) ; U13A.25@10392.71,9201.93 10742,9201.9 10896.7,9047.2 v1(11161.7,9047.2)
  Bottom Layer w10: v1(11156.7,3762.2) 11166.7,3772.2 11166.7,4097.2 11091.7,4172.2 11091.7,4562.2 11126.7,4597.2 11126.7,4697.2 11226.7,4797.2 11226.7,5142.2 11116.7,5252.2 11116.7,5532.2 11226.7,5642.2 11226.7,5777.2 11271.7,5822.2 11271.7,6067.2 11221.7,6117.2 11221.7,6372.2 11286.7,6437.2 11286.7,6802.2 11316.7,6832.2 11316.7,8187.2 11241.7,8262.2 11241.7,8437.2 11201.7,8477.2 11201.7,9007.2 v1(11161.7,9047.2)
U15F_11: U11C.11 U15F.11 | length 6884.8
  Top Layer w10: U11C.11@9585.62,8105.08 9719.6,8105.1 9781.7,8167.2 10476.7,8167.2 10526.7,8117.2 11801.7,8117.2 11821.7,8097.2 12066.7,8097.2 12611.7,7552.2 12611.7,5112.2 12511.7,5012.2 12511.7,4867.2 12311.7,4667.2 12311.7,4184.9 U15F.11@12373.02,4123.59
UA1: U13A.29 U13D.10 U14D.10 U15C.17 | length 5144.9
  Top Layer w10: U13D.10@10281.7,6917.2 10791.7,6917.2 10841.7,6867.2 11198.6,6867.2 11248.6,6917.2 U14D.10@11473.02,6917.29 ; U13A.29@10392.71,8801.93 10742,8801.9 10841.7,8702.2 11011.7,8702.2 11061.7,8752.2 11341.7,8752.2 11641.7,9052.2 11906.7,9052.2 11953.8,9005.1 U15C.17@12085.62,9005.08
  Bottom Layer w10: U13D.10@10281.7,6917.2 10181.7,7017.2 10181.7,8157.2 10256.7,8232.2 10256.7,8665.9 U13A.29@10392.71,8801.93
UA2: U13A.30 U13D.9 U14D.9 U15C.15 | length 4877.8
  Top Layer w10: U13D.9@10281.7,7017.2 10388.6,7017.2 10468.6,6937.2 10723.6,6937.2 10753.6,6967.2 11193.6,6967.2 11243.6,7017.2 U14D.9@11473.02,7017.29 ; U13A.30@10392.71,8701.93 10742,8701.9 10791.7,8652.2 11341.7,8652.2 11541.7,8852.2 11906.7,8852.2 11953.8,8805.1 U15C.15@12085.62,8805.08
  Bottom Layer w10: U13D.9@10281.7,7017.2 10386.7,7122.2 10386.7,7487.2 10446.7,7547.2 10446.7,7757.2 10481.7,7792.2 10481.7,8612.9 U13A.30@10392.71,8701.93
UA3: U6D.13 U13A.31 U13D.8 U14D.8 U15C.13 | length 9526.4
  Top Layer w10: U6D.13@6101.38,7517.29 6196.5,7422.2 6356.7,7422.2 6411.7,7367.2 6621.7,7367.2 6721.7,7467.2 7296.7,7467.2 7321.7,7442.2 7771.7,7442.2 7846.7,7367.2 9955.4,7367.2 10155.4,7567.2 v1(10396.7,7567.2) ; U13D.8@10281.7,7117.2 10531.7,7117.2 10556.7,7142.2 10776.7,7142.2 10851.7,7067.2 11191.7,7067.2 11241.7,7117.2 U14D.8@11473.02,7117.29 11736.7,7117.2 11786.7,7067.2 v1(11956.7,7067.2)
  Bottom Layer w10: U13D.8@10281.7,7117.2 10366.7,7202.2 10366.7,7537.2 v1(10396.7,7567.2) 10426.7,7597.2 10426.7,7782.2 10461.7,7817.2 10461.7,8532.9 U13A.31@10392.71,8601.93 ; v1(11956.7,7067.2) 11956.7,7747.2 11876.7,7827.2 11876.7,8132.2 11986.7,8242.2 11986.7,8506.2 U15C.13@12085.62,8605.08
UA4: U13A.32 U13D.7 U14D.7 U15C.11 | length 4451.1
  Top Layer w10: U13D.7@10281.7,7217.2 10416.7,7217.2 10471.7,7162.2 11191.7,7162.2 11246.8,7217.2 U14D.7@11473,7217.2 ; U14D.7@11473.02,7217.29 11485.6,7217.2 11766.7,7217.2 11826.7,7157.2 v1(12011.7,7157.2)
  Bottom Layer w10: U13D.7@10281.7,7217.2 10346.7,7282.2 10346.7,7592.2 10406.7,7652.2 10406.7,7807.2 10441.7,7842.2 10441.7,8452.9 U13A.32@10392.71,8501.93 ; v1(12011.7,7157.2) 12011.7,7847.2 12086.7,7922.2 12086.7,8404 U15C.11@12085.62,8405.08
UA5: U13A.33 U13D.6 U14D.6 U15C.8 | length 3028.8
  Top Layer w10: U13D.6@10281.7,7317.2 10776.7,7317.2 10826.7,7267.2 11192.8,7267.2 11242.8,7317.2 U14D.6@11473.02,7317.29 ; U13A.33@11292.71,8501.93 11366.4,8501.9 11471.7,8607.2 11783.5,8607.2 U15C.8@11785.62,8605.08
  Bottom Layer w10: U13A.33@11292.71,8501.93 11292.7,8291.2 11356.7,8227.2 11356.7,7432.2 U14D.6@11471.6,7317.3
UA6: U13A.34 U13D.5 U14D.5 U15C.6 | length 3068.5
  Top Layer w10: U13D.5@10281.7,7417.2 10422.8,7417.2 10472.8,7367.2 11192.8,7367.2 11242.8,7417.2 U14D.5@11473.02,7417.29 ; U13A.34@11292.71,8601.93 11341.4,8601.9 11544.6,8805.1 U15C.6@11785.62,8805.08
  Bottom Layer w10: U13A.34@11292.71,8601.93 11376.7,8517.9 11376.7,7512.2 U14D.5@11471.6,7417.3
UA7: U13A.35 U13D.4 U14D.4 U15C.4 | length 3109.9
  Top Layer w10: U13D.4@10281.7,7517.2 10422.8,7517.2 10472.8,7467.2 11192.8,7467.2 11242.8,7517.2 U14D.4@11473.02,7517.29 ; U13A.35@11292.71,8701.93 11341.7,8701.93 11644.85,9005.08 U15C.4@11785.62,9005.08
  Bottom Layer w10: U13A.35@11292.71,8701.93 11396.7,8597.9 11396.7,7592.2 U14D.4@11471.6,7517.3
UA8: U13A.36 U13D.3 U14D.3 U15C.2 | length 3151.3
  Top Layer w10: U13D.3@10281.7,7617.2 10422.8,7617.2 10472.8,7567.2 11192.8,7567.2 11242.8,7617.2 U14D.3@11473.02,7617.29 ; U13A.36@11292.71,8801.93 11341.7,8801.93 11744.85,9205.08 U15C.2@11785.62,9205.08
  Bottom Layer w10: U13A.36@11292.71,8801.93 11416.7,8677.9 11416.7,7672.2 U14D.3@11471.6,7617.3
UA9: U8B.6 U13A.37 U13D.25 U14D.25 | length 7406.3
  Top Layer w10: v1(7391.7,9417.2) 7706.7,9417.2 7741.7,9382.2 8171.7,9382.2 8236.7,9317.2 8371.7,9317.2 8446.7,9392.2 8786.7,9392.2 8811.7,9367.2 8861.7,9367.2 8886.7,9392.2 8991.7,9392.2 9106.7,9277.2 9396.7,9277.2 9451.7,9222.2 10176.7,9222.2 10346.7,9052.2 10741.7,9052.2 10892,8901.9 v1@10924.3,8901.9 ; U13D.25@10881.7,7517.2 v1(11131.7,7517.2) 11191.7,7517.2 11241.7,7567.2 11771.7,7567.2 11821.7,7517.2 U14D.25@12073.02,7517.29 ; v1@10924.25,8901.9 U13A.37@11292.71,8901.93
  Bottom Layer w10: U8B.6@7195.08,9804.3 7281.7,9717.2 7281.7,9662.2 7391.7,9552.2 v1(7391.7,9417.2) ; v1@10924.3,8901.9 11061.7,8764.5 11061.7,8337.2 11101.7,8297.2 11101.7,8122.2 11176.7,8047.2 11176.7,7562.2 v1(11131.7,7517.2)
  other v1: 10924.25,8901.9